# Altium PCB S7CAS-PLEIADES-CARTE-MERE_Pxx.PcbDoc (part 7 of 8) (continued)
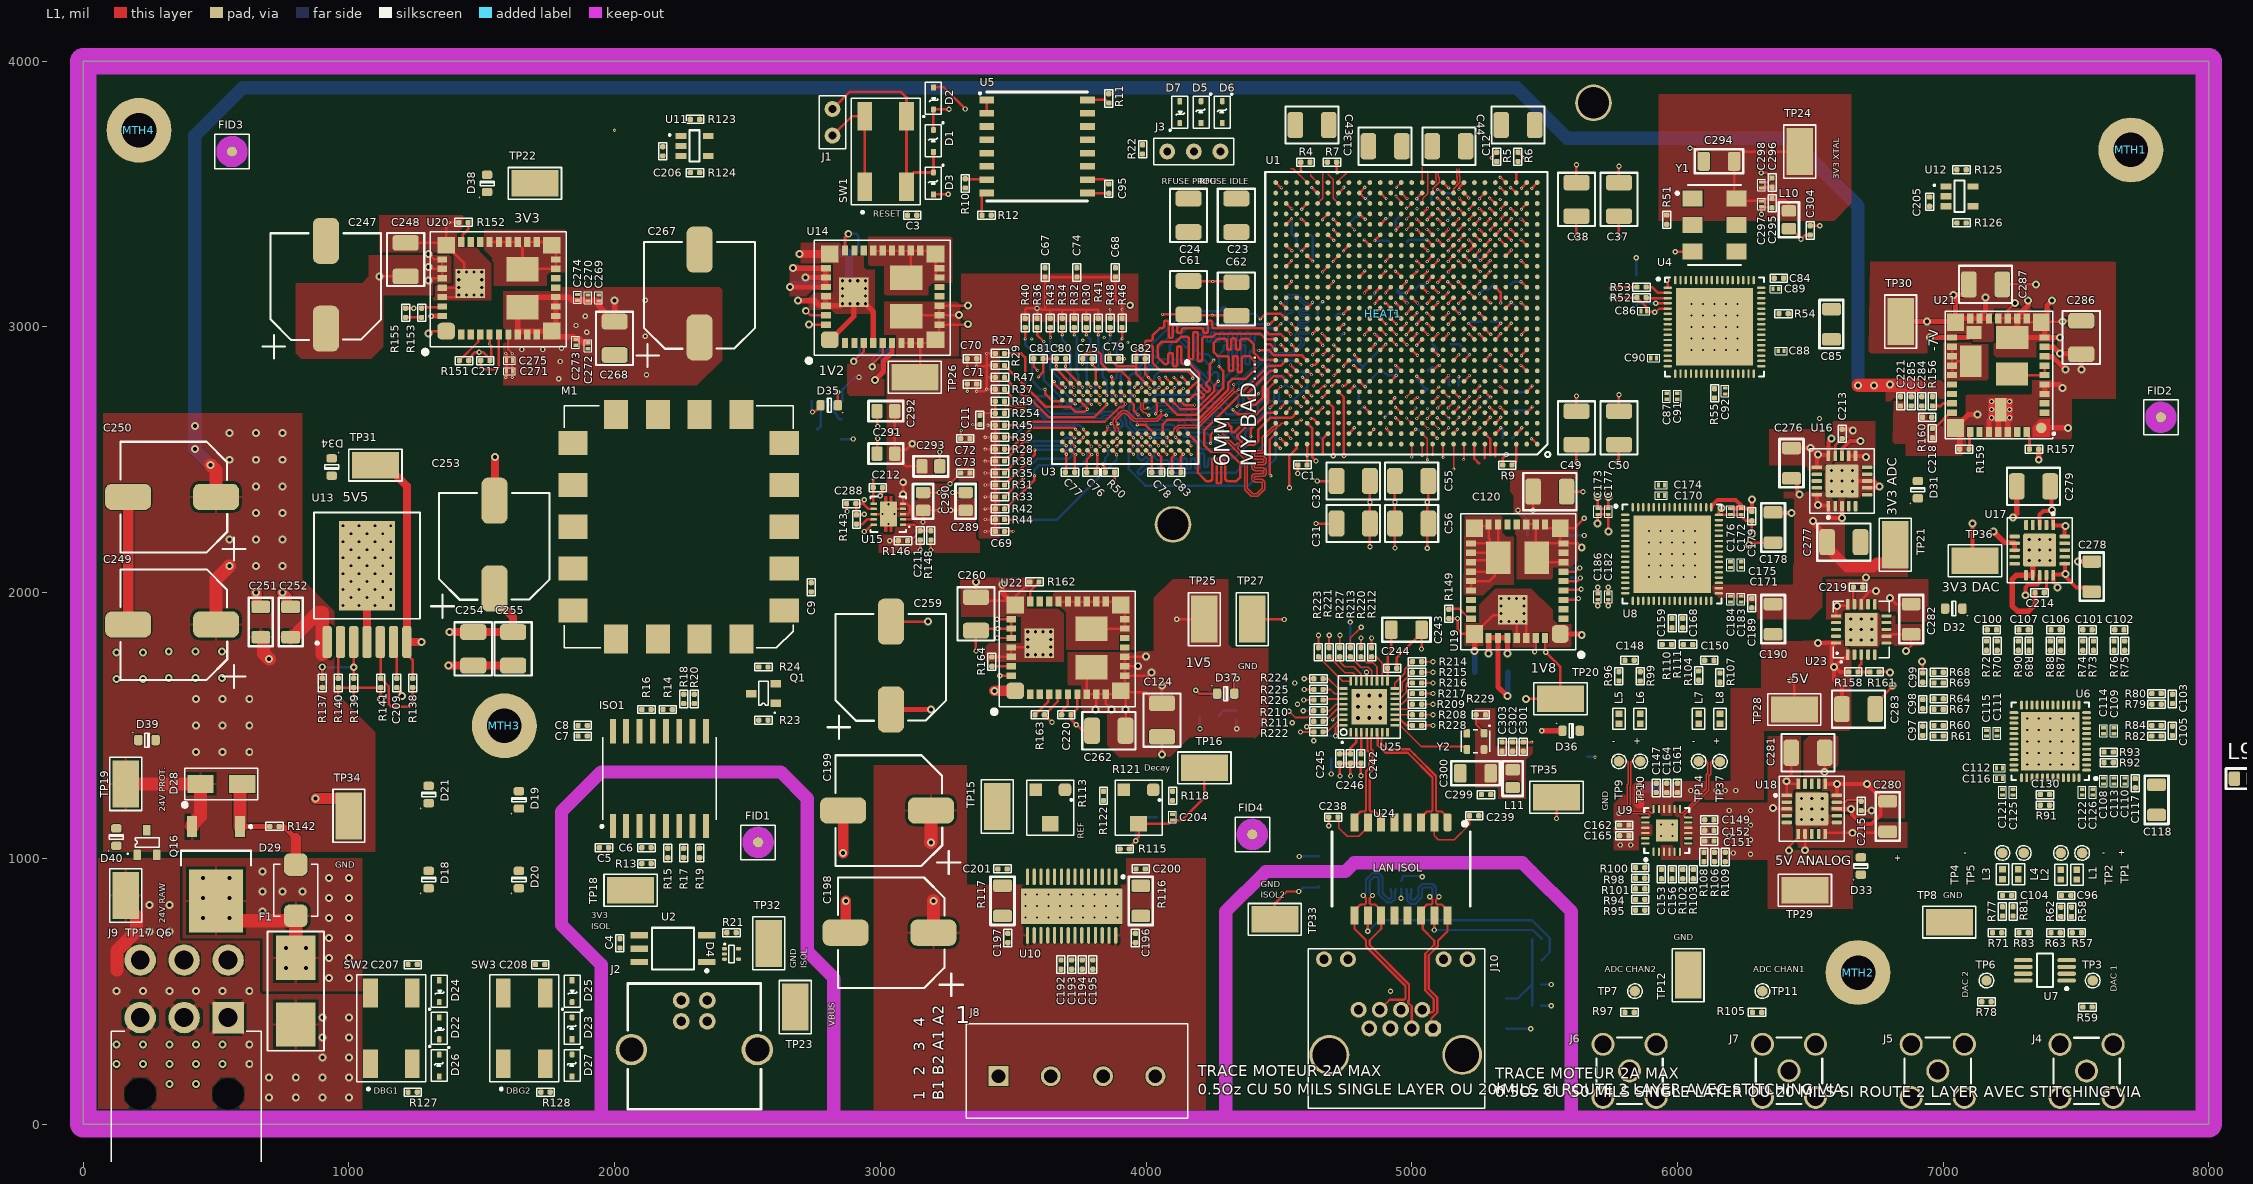
[diagram p0: L1 view]
## Nets (pads, with @x,y where several pads share a name; then routed paths per layer and width w, separated by ;. In a path a pad name is that pad's centre, name@x,y a point inside that pad or via, vN(x,y) a via of type N, cw(c..) or ccw(c..) an arc to the next point about the centre after c; other vN are vias at no path point) (continued)
SCLK_B1: R124.1 U1.M6 U11.4 | length 30.3
  L1 w9.39: U1.M6@5275.58,2992.12 5295.35,2972.35 5296.94,2972.35 v1@5297.44,2971.85
  other v1: 5297.19,2972.1
SCLK_B2: R126.1 U1.L7 U12.4 | length 30.3
  L1 w9.39: v1@5214.35,2973.02 5214.85,2972.52 5216.44,2972.52 U1.L7@5236.21,2952.75
  other v1: 5214.6,2972.77
SDA_B1: R123.1 U1.M4 U11.5 | length 30.3
  L1 w9.39: U1.M4@5354.32,2992.12 5374.09,3011.89 5374.09,3013.48 v1@5374.59,3013.98
  other v1: 5374.34,3013.73
SDA_B2: R125.1 U1.L6 U12.5 | length 30.3
  L1 w9.39: v1@5253.72,2973.02 5254.22,2972.52 5255.81,2972.52 U1.L6@5275.58,2952.75
  other v1: 5253.97,2972.77
STEP_DECAY: R115.2 U1.A7 | length 80.4
  L1 w9.39: U1.A7@5236.21,2559.05 5236.21,2503.79 5254,2486
STEP_DIR: U1.G8 U10.3 | length 30.3
  L1 w9.39: U1.G8@5196.84,2795.27 5216.61,2815.04 5216.61,2816.63 v1(5217.11,2817.13)
STEP_HOME: U1.C7 U10.2
STEP_RST: U1.E6 U10.17
STEP_SLEEP: U1.C5 U10.27 | length 30.3
  L1 w9.39: U1.C5@5314.95,2637.79 5334.72,2657.56 5334.72,2659.15 v1(5335.22,2659.65)
STEP_STEP: U1.A5 U10.19 | length 46.1
  L1 w9.39: U1.A5@5314.95,2559.05 5314.95,2513.05 5315,2513
STEP_USM0: U1.F7 U10.13 | length 30.3
  L1 w9.39: U1.F7@5236.21,2755.9 5255.98,2775.67 5255.98,2777.26 v1(5256.48,2777.76)
STEP_USM1: U1.B6 U10.12 | length 90.5
  L1 w9.39: U1.B6@5275.58,2598.42 5295,2579 5295,2516
TX_ISOL_N: D30.2 J10.2 U24.14 | length 782.1
  L1 w8.55: J10.2@5040,430 5049.65,420.35 5077.82,420.35 5082.82,425.36 5082.82,470.35 5051.03,502.14 5051.03,640.5 5085,674.47 5085,690 5041.32,733.68 5041.32,778.68 U24.14@5035,785 5035,803.5 5057.27,825.77 5073.22,825.77 5078.23,830.78 5078.23,844.27 v3(5067.5,855)
  L14 w8.62: D30.2@4979.69,884.84 4981.28,883.25 4981.28,867.91 4982.72,866.47 4982.72,842.21 4995.75,829.18 5014.18,829.18 5038.95,853.95 5038.95,883.9 5045.05,890 5073.14,890 5078.19,884.95 5078.19,876.75 5078.19,865.74 5067.5,855.05 v3(5067.5,855)
TX_ISOL_P: D30.1 J10.1 U24.16 | length 804.4
  L1 w8.55: J10.1@5080,360 5074.45,365.55 5074.45,397.82 5096.37,419.74 5096.37,475.96 5064.58,507.75 5064.58,634.89 5099.29,669.59 5099.29,689.29 5135,725 5135,803.5 5112.73,825.77 5096.78,825.77 5091.77,830.78 5091.77,844.27 v3(5102.5,855)
  L14 w8.62: D30.1@4999.37,884.84 4997.78,883.25 4997.78,867.91 4996.34,866.47 4996.34,847.86 5001.39,842.81 5008.54,842.81 5025.33,859.6 5025.33,889.54 5039.41,903.62 5078.78,903.62 5091.81,890.59 5091.81,882.39 5091.81,865.74 5102.5,855.05 v3(5102.5,855)
TX_N: U24.3 U25.6 | length 501.5
  L1 w8.55: U25.6@4869.53,1473.86 4870.17,1473.21 4870.17,1454.09 4872.6,1451.67 4872.6,1425.79 4901.39,1397 4985,1397 5078.23,1303.77 5078.23,1180.78 5073.22,1175.77 5057.27,1175.77 5035,1153.5 U24.3@5035,1135
TX_P: U24.1 U25.7 | length 501.5
  L1 w8.55: U25.7@4889.21,1473.86 4888.57,1473.21 4888.57,1454.09 4886.15,1451.67 4886.15,1431.4 4907,1410.55 4990.61,1410.55 5009.31,1391.85 5013.58,1387.58 5091.77,1309.39 5091.77,1180.78 5096.78,1175.77 5112.73,1175.77 5135,1153.5 U24.1@5135,1135
UD_N: ISO1.6 R17.1
UD_P: ISO1.7 R19.1
UDM: U1.J23 U3.D3 | length 1188.9
  L1 w9.39: U3.D3@4062.98,2724.4 4117.39,2670 4190,2670 4290,2770 4290,2835 v1(4274.55,2850.45) ; v1(4425,2911.31) 4463.8,2911.31 4469.3,2905.81 4469.3,2905.56 4481.86,2893 4587.3,2893 U1.J23@4606.29,2874.01
  L14 w9.36: v1(4274.55,2850.45) 4275,2850.9 4275,2895 4285,2905 4289.68,2909.68 ccw(c4282.77,2916.6) 4292.55,2916.6 4292.55,2925.73 cw(c4298.27,2925.73) 4298.27,2931.46 4303.18,2931.46 cw(c4303.18,2925.73) 4308.91,2925.73 4308.91,2860.43 ccw(c4314.64,2860.43) 4314.64,2854.7 4319.55,2854.7 ccw(c4319.55,2860.43) 4325.27,2860.43 4325.27,2925.73 cw(c4331,2925.73) 4331,2931.46 4335.91,2931.46 cw(c4335.91,2925.73) 4341.64,2925.73 4341.64,2860.43 ccw(c4347.37,2860.43) 4347.37,2854.7 4352.27,2854.7 ccw(c4352.27,2860.43) 4358,2860.43 4358,2925.73 cw(c4363.73,2925.73) 4363.73,2931.46 4368.64,2931.46 cw(c4368.64,2925.73) 4374.37,2925.73 4374.37,2864.49 ccw(c4380.09,2864.49) 4380.09,2858.76 4385,2858.76 ccw(c4385,2864.49) 4390.73,2864.49 4390.73,2901.95 cw(c4400.09,2901.95) 4400.09,2911.31 v1@4419.99,2911.31
UDQS_N: U1.M26 U3.B7 | length 1182.9
  L1 w4.82: U3.B7@4125.98,2598.42 4123.06,2598.42 4115.14,2606.34 4115.14,2610.34 4124.8,2620 4196.47,2620 4333.2,2756.74 4339.66,2756.74 4347.85,2764.93 v1(4349.79,2764.93) ; U1.M26@4488.18,2992.12 v1(4507.86,3011.81)
  L14 w4.85: v1(4349.79,2764.93) 4349.79,2779.79 4359.75,2789.75 4450,2880 4459.75,2889.75 4462.72,2892.72 4552.92,2892.72 4594.85,2934.65 4594.85,2938.73 4594.85,2946.08 ccw(c4580.15,2946.08) 4580.15,2960.77 4576.44,2960.77 cw(c4576.44,2964.92) 4572.29,2964.92 4572.29,2968.48 cw(c4576.44,2968.48) 4576.44,2972.62 4601.23,2972.62 ccw(c4601.23,2986.62) 4615.23,2986.62 4615.23,2990.17 ccw(c4601.23,2990.17) 4601.23,3004.17 4584.35,3004.17 cw(c4584.35,3008.31) 4580.2,3008.31 4580.2,3011.87 cw(c4584.35,3011.87) 4584.35,3016.02 4602.64,3016.02 ccw(c4602.64,3030.01) 4616.63,3030.01 4616.63,3033.56 ccw(c4602.64,3033.56) 4602.64,3047.56 4589.92,3047.56 cw(c4589.92,3051.71) 4585.78,3051.71 4585.78,3055.26 cw(c4589.92,3055.26) 4589.92,3059.41 4602.14,3059.41 ccw(c4602.14,3073.4) 4616.13,3073.4 4616.13,3076.96 ccw(c4602.14,3076.96) 4602.14,3090.95 cw(c4602.13,3095.8) 4598.71,3092.37 4575.97,3115.11 4571,3120.08 4536.15,3120.08 4522.63,3106.55 4522.63,3100.05 4522.63,3036.37 4522.63,3025 4509.43,3011.81 v1(4507.86,3011.81)
UDQS_P: U1.M24 U3.C7 | length 1182.3
  L1 w4.82: U3.C7@4094.48,2598.42 4097.39,2598.42 4105.32,2606.34 4105.32,2614.4 4120.73,2629.82 4192.4,2629.82 4329.86,2767.29 v1(4329.86,2783.14) ; v1(4547.24,3011.81) U1.M24@4566.92,2992.12
  L14 w4.85: v1(4329.86,2783.14) 4331.23,2784.51 4340.58,2784.51 4352.79,2796.71 4443.04,2886.96 4452.79,2896.71 4458.64,2902.57 4548.84,2902.57 4585,2938.73 4585,2946.08 ccw(c4580.15,2946.08) 4580.15,2950.93 4576.44,2950.93 cw(c4576.44,2964.92) 4562.44,2964.92 4562.44,2968.48 cw(c4576.44,2968.48) 4576.44,2982.47 4601.23,2982.47 ccw(c4601.23,2986.62) 4605.38,2986.62 4605.38,2990.17 ccw(c4601.23,2990.17) 4601.23,2994.32 4584.35,2994.32 cw(c4584.35,3008.31) 4570.36,3008.31 4570.36,3011.87 cw(c4584.35,3011.87) 4584.35,3025.86 4602.64,3025.86 ccw(c4602.64,3030.01) 4606.78,3030.01 4606.78,3033.56 ccw(c4602.64,3033.56) 4602.64,3037.71 4589.92,3037.71 cw(c4589.92,3051.71) 4575.93,3051.71 4575.93,3055.26 cw(c4589.92,3055.26) 4589.92,3069.26 4602.14,3069.26 ccw(c4602.14,3073.4) 4606.28,3073.4 4606.28,3076.96 ccw(c4602.14,3076.96) 4602.14,3081.1 cw(c4602.13,3095.8) 4591.72,3085.43 4566.92,3110.23 4560.02,3110.23 4540.23,3110.23 4532.47,3102.47 4532.47,3075.69 4532.47,3067.31 ccw(c4537.32,3067.31) 4537.32,3062.46 4547.73,3062.46 cw(c4547.73,3058.31) 4551.87,3058.31 4551.87,3054.76 cw(c4547.73,3054.76) 4547.73,3050.61 4537.32,3050.61 ccw(c4537.32,3045.76) 4532.47,3045.76 4532.47,3031.49 4532.47,3025 4545.67,3011.81 v1(4547.24,3011.81)
USB_DATA_ISOL_N: D4.5 J2.2 R17.2
USB_DATA_ISOL_P: D4.3 J2.3 R19.2
USB_DATA_N: M1.16 R18.1
USB_DATA_P: M1.17 R20.1
USR_BTN0: C208.2 D23.2 D27.1 R128.1 SW3.3 SW3.4 U1.N5
USR_BTN1: C207.2 D22.2 D26.1 R127.1 SW2.3 SW2.4 U1.N9 | length 30.3
  L1 w9.39: v1@5137.2,3009.63 5137.7,3010.13 5137.7,3011.72 U1.N9@5157.47,3031.49
  other v1: 5137.45,3009.88
VBUS: C5.2 D4.1 ISO1.1 J2.1 TP23.1 U2.1
VBUS_DETECT: Q1.1 R23.1 U2.5
VCM: C147.2 C149.2 U8.23 U9.11 U9.17
VTT: C67.2 C68.2 C69.2 C70.2 C71.2 C72.2 C73.2 C74.2 C291.2 C292.2 C293.2 R27.1 R28.1 R29.1 R30.1 R31.1 R32.1 R33.1 R34.1 R35.1 R36.1 R37.1 R38.1 R39.1 R40.1 R41.1 R42.1 R43.1 R44.1 R45.1 R46.1 R47.1 U15.3 U15.5 | length 2837.6
  L1 w9.39: U15.3@3085.59,2295.2 3104.84,2295.16 3111.11,2301.44 3111.11,2323.89 3100.47,2334.53 3085.62,2334.53 v2(3085.59,2368.77) v8(3085.59,2415.59) ; C71.2@3362.5,2785 v1(3362.5,2757.5) 3391.79,2757.5 3399.29,2765 v1(3400,2765) ; C70.2@3362.5,2880 v1(3362.5,2852.5) 3397.5,2852.5 3400,2855 ; v1(3395,2230) C69.2@3432.5,2230 R44.1@3432.5,2275 ; v1(3395,2275) R44.1@3432.5,2275 ; v1(3395,2315) R42.1@3432.5,2315 ; v1(3395,2360) R33.1@3432.5,2360 ; v1(3395,2405) R31.1@3432.5,2405 ; v1(3395,2450) R35.1@3432.5,2450 ; v1(3395,2495) R38.1@3432.5,2495 ; v1(3395,2540) R28.1@3432.5,2540 ; v1(3395,2585) R39.1@3432.5,2585 ; v1(3405,2630) R45.1@3432.5,2630 R39.1@3432.5,2585 ; R37.1@3432.5,2765 v1(3400,2765) ; R47.1@3432.5,2810 3400,2810 ; R29.1@3432.5,2855 3400,2855 ; R27.1@3432.5,2900 v1(3400,2900) 3400,2855 ; R40.1@3545,3032.5 3545,3064.5 3550.5,3070 v3(3590,3070) ; R36.1@3590,3032.5 v3(3590,3070) ; R43.1@3640,3032.5 3640,3065 ; R34.1@3685,3032.5 3685,3065 ; R32.1@3730,3032.5 3730,3065 ; R30.1@3775,3032.5 3775,3065 ; R41.1@3820,3032.5 3820,3065 3775,3065 ; R46.1@3910,3032.5 v1(3910,3065) 3910,3080 3885,3105 C68.2@3885,3187.5 C67.2@3620,3187.5 3620,3065 ; v1(3400,2765) 3400,2810 ; 3400,2810 3400,2855 ; R44.1@3432.5,2275 R42.1@3432.5,2315 ; R42.1@3432.5,2315 R33.1@3432.5,2360 ; R33.1@3432.5,2360 R31.1@3432.5,2405 ; R31.1@3432.5,2405 R35.1@3432.5,2450 ; R35.1@3432.5,2450 R38.1@3432.5,2495 ; R38.1@3432.5,2495 R28.1@3432.5,2540 ; R28.1@3432.5,2540 R39.1@3432.5,2585 ; v3(3590,3070) 3592.03,3067.97 3603.75,3067.97 3606.72,3065 3620,3065 ; 3620,3065 3640,3065 ; 3640,3065 3685,3065 ; 3685,3065 3730,3065 ; 3730,3065 3775,3065
  L1 w10: C292.2@3054.45,2683.07 v8(3054.45,2605.55) C291.2@3054.45,2523.07 ; v8(3120,2560) 3097.61,2537.61 3068.99,2537.61 C291.2@3054.45,2523.07 ; C293.2@3156.98,2475.2 3096.32,2475.2 3054.45,2517.07 C291.2@3054.45,2523.07
  L3 w10: 3085.59,2334.57 v2(3085.59,2368.77) v8(3085.59,2415.59)
VTT_REF: C1.2 C2.2 C75.2 C212.2 U1.A23 U1.L21 U3.H1 U3.M8 U15.6 | length 3642.5
  L1 w9.44: v1(2972.98,2427.98) C212.2@2972.98,2395.2 2974.17,2394 2974.17,2334.57 U15.6@2975.36,2334.57 ; v1(3760.87,2860) 3761.36,2860.49 3761.36,2878.86 3766.57,2884.07 3766.57,2893.57 3779,2906 3821,2906 3831.73,2895.27 3831.73,2862.27 3860,2834 3907,2834 3937,2804 U3.H1@3937,2787.4 ; U3.M8@3811.02,2566.92 v1(3827,2551) ; C1.2@4606.29,2480.31 v1(4606.29,2515) U1.A23@4606.29,2559.05 ; v1(4662.78,2975) U1.L21@4685.03,2952.75
  L12 w9.44: v1(2972.98,2427.98) 3026.04,2481.04 3603.96,2481.04 ; 3607.38,2633.42 3769.27,2633.42 3827,2575.69 v1(3827,2551) ; v1(3760.87,2860) 3743.69,2842.82 3743.69,2842 3731.69,2830 3650,2830 3603.96,2783.96 3603.96,2481.04 ; v1(4662.78,2975) 4705,2975 4760,2920 4760,2668.71 v1(4606.29,2515) 4481.29,2390 3695,2390 3603.96,2481.04
  L14 w9.44: v1(4662.78,2975) C2.2@4685.03,2952.75
ZQ: R1.2 U1.B23
ZQ_RAM: R50.2 U3.L8 | length 133.1
  L1 w9.39: v1(3837,2483.09) 3837,2482.38 3842.48,2476.91 3842.48,2456.85 R50.2@3846.5,2452.82 ; U3.L8@3842.51,2566.92 3842.51,2566.71 3858,2551.22 v1(3858,2551)
  L14 w9.36: v1(3837,2483.09) 3837,2483.8 3847.53,2494.33 3847.53,2507.53 3858,2518 v1(3858,2551)
pads on no net: C222.1 C222.2 C223.1 C223.2 C224.1 C224.2 C225.1 C225.2 C226.1 C226.2 C227.1 C227.2 C228.1 C228.2 C229.1 C229.2 C230.1 C230.2 C231.1 C231.2 C232.1 C232.2 C233.1 C233.2 C234.1 C234.2 C235.1 C235.2 C236.1 C236.2 C237.1 C237.2 D4.2 D30.6 D30.7 D30.9 D30.10 FID1.1 FID1.2 FID2.1 FID2.2 FID3.1 FID3.2 FID4.1 FID4.2 J9.0 J10.0 J10.9 J10.10 J10.11 J10.12 L9.1 L9.2 Q1. Q2. Q3. Q4. Q5. Q7. Q8. Q9. Q10. Q11. Q12. Q13. Q14. Q15. Q16. R2.2 R3.2 R165.1 R165.2 R166.1 R166.2 R167.1 R167.2 R168.1 R168.2 R169.1 R169.2 R170.1 R170.2 R171.1 R171.2 R172.1 R172.2 R173.1 R173.2 R174.1 R174.2 R175.1 R175.2 R176.1 R176.2 R177.1 R177.2 R178.1 R178.2 R179.1 R179.2 R180.1 R180.2 R181.1 R181.2 R182.1 R182.2 R183.1 R183.2 R184.1 R184.2 R185.1 R185.2 R186.1 R186.2 R187.1 R187.2 R188.1 R188.2 R189.1 R189.2 R190.1 R190.2 R191.1 R191.2 R192.1 R192.2 R193.1 R193.2 R194.1 R194.2 R195.1 R195.2 R196.1 R196.2 R197.1 R197.2 R198.1 R198.2 R199.1 R199.2 R200.1 R200.2 U1.A2 U1.A4 U1.A14 U1.A15 U1.A16 U1.A17 U1.A18 U1.A19 U1.A20 U1.A21 U1.A22 U1.AA1 U1.AA2 U1.AA13 U1.AA14 U1.AA15 U1.AA17 U1.AA18 U1.AA19 U1.AA22 U1.AA23 U1.AA24 U1.AA25 U1.AA26 U1.AB1 U1.AB3 U1.AB11 U1.AB15 U1.AB17 U1.AB18 U1.AB21 U1.AB22 U1.AB24 U1.AB26 U1.AC1 U1.AC2 U1.AC14 U1.AC15 U1.AC16 U1.AC17 U1.AC19 U1.AC20 U1.AC22 U1.AC23 U1.AC24 U1.AC25 U1.AC26 U1.AD1 U1.AD3 U1.AD6 U1.AD11 U1.AD15 U1.AD17 U1.AD18 U1.AD19 U1.AD21 U1.AD24 U1.AD26 U1.AE1 U1.AE2 U1.AE5 U1.AE7 U1.AE13 U1.AE15 U1.AE17 U1.AE19 U1.AE21 U1.AE23 U1.AE24 U1.AE25 U1.AE26 U1.AF5 U1.AF6 U1.AF7 U1.AF13 U1.AF15 U1.AF16 U1.AF17 U1.AF18 U1.AF19 U1.AF21 U1.AF24 U1.AF25 U1.B1 U1.B2 U1.B4 U1.B14 U1.B16 U1.B18 U1.B20 U1.B22 U1.C1 U1.C2 U1.C3 U1.C4 U1.C15 U1.C16 U1.C17 U1.C18 U1.C19 U1.C20 U1.C21 U1.D1 U1.D3 U1.D6 U1.D15 U1.D16 U1.D18 U1.D19 U1.D20 U1.D21 U1.E1 U1.E2 U1.E3 U1.E4 U1.E5 U1.E12 U1.E14 U1.E16 U1.E17 U1.E18 U1.E19 U1.E20 U1.F1 U1.F3 U1.F5 U1.F8 U1.F12 U1.F14 U1.F15 U1.F16 U1.F17 U1.F18 U1.G1 U1.G2 U1.G3 U1.G4 U1.G5 U1.G6 U1.G7 U1.G9 U1.G11 U1.G13 U1.G14 U1.G16 U1.G17 U1.G21 U1.H1 U1.H3 U1.H5 U1.H6 U1.H7 U1.H8 U1.H9 U1.H10 U1.H12 U1.H13 U1.H15 U1.H16 U1.H17 U1.H19 U1.J1 U1.J2 U1.J3 U1.J4 U1.J5 U1.J7 U1.J10 U1.J11 U1.J12 U1.J13 U1.J14 U1.J15 U1.J16 U1.J17 U1.J20 U1.K1 U1.K3 U1.K5 U1.K6 U1.K7 U1.K8 U1.K9 U1.K10 U1.K12 U1.K14 U1.K15 U1.K18 U1.K19 U1.L1 U1.L2 U1.L3 U1.L4 U1.L8 U1.L9 U1.L17 U1.L18 U1.L19 U1.L20 U1.L23 U1.L24 U1.M1 U1.M3 U1.M8 U1.M9 U1.M10 U1.M18 U1.M19 U1.M21 U1.M23 U1.N1 U1.N2 U1.N3 U1.N4 U1.N7 U1.N8 U1.N17 U1.N18 U1.N19 U1.N20 U1.N21 U1.N22 U1.N23 U1.N24 U1.P3 U1.P5 U1.P6 U1.P7 U1.P8 U1.P10 U1.P17 U1.P18 U1.P20 U1.P21 U1.P22 U1.P24 U1.P26 U1.R1 U1.R2 U1.R4 U1.R5 U1.R17 U1.R18 U1.R19 U1.R20 U1.R21 U1.R22 U1.R23 U1.R24 U1.R25 U1.R26 U1.T6 U1.T10 U1.T18 U1.T19 U1.T20 U1.T22 U1.T23 U1.T24 U1.T26 U1.U1 U1.U2 U1.U5 U1.U7 U1.U8 U1.U9 U1.U15 U1.U17 U1.U19 U1.U20 U1.U21 U1.U22 U1.U23 U1.U24 U1.U25 U1.U26 U1.V1 U1.V3 U1.V4 U1.V5 U1.V10 U1.V13 U1.V14 U1.V15 U1.V16 U1.V17 U1.V18 U1.V19 U1.V20 U1.V22 U1.V23 U1.V24 U1.V26 U1.W1 U1.W2 U1.W3 U1.W5 U1.W10 U1.W13 U1.W14 U1.W16 U1.W17 U1.W18 U1.W19 U1.W22 U1.W24 U1.W25 U1.W26 U1.Y1 U1.Y3 U1.Y5 U1.Y14 U1.Y15 U1.Y16 U1.Y18 U1.Y20 U1.Y21 U1.Y22 U1.Y24 U1.Y26 U3.J1 U3.J9 U3.L1 U3.L9 U3.M7 U3.T7 U4.6 U4.7 U4.9 U4.10 U4.13 U4.33 U4.40 U4.41 U4.49 U4.50 U4.51 U4.52 U4.53 U4.54 U4.55 U4.56 U4.57 U4.58 U4.59 U4.60 U4.61 U4.62 U4.63 U4.64 U5.3 U5.4 U5.5 U5.6 U5.11 U5.12 U5.13 U5.14 U8.22 U9.PAD U11.1 U12.1 U14.2 U14.3 U14.15 U14.16 U14.26 U14.27 U16.2 U16.4 U16.5 U16.6 U16.9 U16.10 U16.17 U16.18 U16.19 U17.2 U17.4 U17.5 U17.6 U17.9 U17.10 U17.17 U17.18 U17.19 U18.2 U18.4 U18.5 U18.8 U18.9 U18.11 U18.12 U18.17 U18.18 U18.19 U19.2 U19.3 U19.15 U19.16 U19.26 U19.27 U20.2 U20.3 U20.15 U20.16 U20.26 U20.27 U21.2 U21.3 U21.25 U21.31 U21.35 U22.2 U22.3 U22.15 U22.16 U22.26 U22.27 U23.2 U23.4 U23.5 U23.6 U23.8 U23.9 U23.10 U23.11 U23.12 U23.17 U23.18 U23.19 U24.4 U24.5 U24.12 U24.13 U25.8 Y1.1
copper on no net:
  other v1: 2000,3740
  other v4: 5938.35,1083.35 5981.65,1083.35 5938.35,1126.65 5981.65,1126.65

## Polygon pours and split planes (outlines as drawn)
GND on L11 (GND) "GND_L11_P129" (solid, pour order 129): -40,4000 -10,4030 8020,4030 8020,-30 -20,-30 -20,-20 -30,-10
ISOL2_GND on L11 (GND) "ISOL2_GND_L11_P018" (solid, pour order 18): 4350,800 4465,915 4475,905 4765,905 4765,915 4800,950 5410,950 5575,785 5575,50 4350,50
ISOL_GND on L11 (GND) "ISOL_GND_L11_P046" (solid, pour order 46): 2000,75 2000,625 1975,625 1850,750 1850,1175 1950,1275 2600,1275 2675,1200 2675,625 2775,525 2775,75
GND on L2 (GND) "GND_L02_P042" (solid, pour order 42): 100,3890 110,3900 7900,3900 7900,100 105,100
ISOL2_GND on L2 (GND) "ISOL2_GND_L02_P014" (solid, pour order 0): 4347.41,800 4462.41,915 4472.41,905 4762.41,905 4762.41,915 4797.41,950 5407.41,950 5572.41,785 5572.41,50 4347.41,50
ISOL_GND on L2 (GND) "ISOL_GND_L02_P014" (solid, pour order 14): 2000,75 2000,625 1975,625 1850,750 1850,1175 1950,1275 2600,1275 2675,1200 2675,625 2775,525 2775,75
3V3_DIGITAL on L9 (PWR) "3V3_DIGITAL_L09_P123" (solid, pour order 123): 45.17,3925 7945,3925 7945,55 5631.54,55 5630,53.46 5630,820 5600,820 5410,1010 5395,995 4795,995 4795,985 4755,945 4745,955 4450,955 4450,950 4300,800 4310,790 4310,55 2826.39,55 2825.27,53.88 2820.98,58.18 2820.98,554.02 2720,655 2720,1230 2615,1335 2605,1325 1950,1325 1790,1165 1790,755 1795,755 1955,595 1955,20 35,20 -0.17,-15.17
3V3A_ADC on L9 (PWR) "3V3A_ADC_L09_P118" (solid, pour order 118): 6665,2680 6665,2455.77 6681.38,2439.39 6621.99,2380 5705,2380 5670,2345 5670,1820 6965,1820 7040,1895 7040,2675
3V3A_DAC on L9 (PWR) "3V3A_DAC_L09_P117" (solid, pour order 117): 7285.06,1930 7285.06,2005.06 7285.06,2141.3 7531.3,2141.3 7615,2225 7615,2505 7070,2505 7010,2445 7010,2280 6675,1945 6675,1360 6665,1350 6675,1340 6930,1340 6930,1225 6970,1185 7900,1185 7900,1940
3V3_DIGITAL on L9 (PWR) "3V3_DIGITAL_L09_P115" (solid, pour order 115): 4451.87,3582.67 5511.8,3582.67 5511.8,2516.8 5510,2515 5505.32,2519.68 4448.81,2519.68
1V2_VCCINT on L9 (PWR) "1V2_VCCINT_L09_P110" (solid, pour order 110): 4820,3190 5125.93,3190 5126.96,3188.97 5124.37,3186.38 5124.37,3154.37 5110,3140 5110,2993.51 5131.51,2972 5130,2970.49 5130,2890 5035,2890 5030,2895 5030,2916.37 4906.37,2916.37 4885,2895 4845,2895 4840,2895 4836.25,3074.48 4836.25,3078.75 4820,3095
VTT on L9 (PWR) "VTT_L09_P114" (solid, pour order 114): 4105.46,3295 3380,3295 3380,3128.89 3015,2763.89 3015,2420 3055,2380 3055,2245 3110,2190 3476.46,2190
1V2_VCCINT on L9 (PWR) "1V2_VCCINT_L09_P113" (solid, pour order 113): 4075,3435 3305,3435 3295,3425 3300,3420 3300,3100 3010,3100 3005,3095 3005,2985 3060,2985 3065,2980 3065,2905 2880,2905 2880,2750 3295,2750 3300,2755 3300,2949.04 3465,3114.04 3465,3285 4025,3285 4045,3265
1V2_VCCINT on L9 (PWR) "1V2_VCCINT_L09_P112" (solid, pour order 112): 4820,3190 4750,3260 4750,3280 4470,3280 4405,3345 4405,3430 3985,3435 3985,3345 3985,3265 3935,3000 4550,3070 4701.36,3078 4855,3075
5V_A on L9 (PWR) "5V_A_L09_P104" (solid, pour order 104): 6197.5,1295 6197.5,1640 6312.5,1640 6312.5,1815.96 6321.54,1825 6622.5,1825 6622.5,1815 6652.5,1785 6652.5,1135 6917.5,1135 6917.5,645 7697.5,645 7707.5,635 7707.5,500 5762.5,500 5757.5,505 5757.5,1295
24V_RAW on L9 (PWR) "24V_RAW_L09_P036" (solid, pour order 36): 1050,1000 1050,50 50,50 50,1000
POWER_MOS_MID on L9 (PWR) "POWER_MOS_MID_L09_P031" (solid, pour order 31): 350,1000 700,1000 1050,1000 1050,500 650,500 650,700 350,700
1V5_DIGITAL on L9 (PWR) "1V5_DIGITAL_L09_P028" (solid, pour order 28): 3123.25,2416.75 3366.75,2416.75 3366.75,2202.25 3372,2197 3377,2202 3451,2202 3451,2914 3552,3015 3968,3015 4051,3089 4070,3089 4685,3089 4685,3020.6 4632.47,2968.07 4632.47,2681.47 4538,2587 4216,2587 4216,2102 4295,2023 4295,1676 4378,1593 4378,1461 4221,1461 4220,1506 4194.3,1506 4022.5,1367.5 3923.5,1367.5 3850,1441 3850,1540 3769.42,1540 3673,1636.42 3673,2109 3014,2109 2990,2133 2990,2248 3067,2248 3066.34,2248.66 3066.34,2281.75 3119.25,2281.75 3123.25,2285.75
-5V on L1 "-5V_L01_P096" (solid, pour order 96): 6036.17,1290.22 5845.22,1290.22 5760,1205 5760,1030 5855,1030 5855,1085 5900,1085 5905,1090 5905,1160 5980,1160 5980,1205.57
-5V on L1 "-5V_L01_P099" (solid, pour order 99): 6325,1640 6325,1220 6320,1215 6003.94,1215 6003.94,1290 6200,1290 6200,1640
5V_A on L1 "5V_A_L01_P098" (solid, pour order 98): 5985,1210 6345,1210 6350,1205 6350,995 5940,995 5940,1050 6010,1050 6010,1155 5985,1155
-5V on L1 "-5V_L01_P097" (solid, pour order 97): 5980,1215 6040,1215 6040,1260.92 6039.96,1260.96 6039,1260 5980,1260
3V3A_ADC on L1 "3V3A_ADC_L01_P095" (solid, pour order 95): 6130.79,2029.21 6435.79,2029.21 6435.79,2104.21 6866.57,2104.21 6866.57,2059.21 6545.79,2059.21 6545.79,1944.21 6500.79,1899.21 6305.79,1899.21 6300.79,1894.21 6300.79,1964.21 6255.79,1964.21 6249.79,1970.21 6249.79,1979.96 6155.04,1979.96 6134.96,2000.04
GND on L1 "GND_L01_P094" (solid, pour order 94): 6580,2645 6585,2640 6585,2545 6635,2545 6635,2490 6555,2490 6555,2355 6745,2355 6745,2645
3V3A_ADC on L1 "3V3A_ADC_L01_P093" (solid, pour order 93): 6400,2380 6550,2380 6555,2375 6555,2355 6630,2355 6630,2105 6610,2085 6440,2085 6440,2350 6435,2355 6400,2355
5V5 on L1 "5V5_L01_P092" (solid, pour order 92): 6345,2480 6480,2480 6490,2470 6490,2460 6555,2460 6555,2485 6635,2485 6635,2550 6560,2550 6555,2555 6555,2615 6345,2615
-7V on L1 "-7V_L01_P091" (solid, pour order 91): 6560,1900 6620,1900 6625,1905 6625,1930 6825,1930 6825,1890 6945,1890 6945,2050 6560,2050
GND on L1 "GND_L01_P090" (solid, pour order 90): 6629.94,1923.29 6629.94,1799.27 6634.21,1795 6760,1795 6760,1799.27 6926.72,1799.27 6920,1880 6820,1880 6820,1925
GND on L1 "GND_L01_P088" (solid, pour order 88): 6475,1228.5 6475,1440 6495,1460 6605,1460 6605,1350 6582.09,1327.09 6539.97,1327.09 6539.97,1235.03 6540,1235
5V_A on L1 "5V_A_L01_P087" (solid, pour order 87): 6660,810 6660,1035 6435,1035 6435,1050 6440,1055 6440,1255 6465,1255 6465,1460 6340,1460 6340,810
GND on L1 "GND_L01_P084" (solid, pour order 84): 6445,1250 6445,1060 6455,1050 6455,1040 6865,1040 6865,1135 6860,1135 6850,1135 6670,1135 6632.13,1172.87 6567.91,1172.87 6567.91,1247.91 6570,1250
5V5 on L1 "5V5_L01_P083" (solid, pour order 83): 6545,1310 6545,1255 6575,1255 6575,1175 6645,1175 6675,1145 6680,1150 6855,1150 6855,1330 6547.17,1330 6544.26,1327.09
24V_PROTECTED on L1 "24V_PROTECTED_L01_P082" (solid, pour order 82): 6785,2720 6975,2720 6985,2730 7055,2730 7060,2735 7060,2800 6785,2800
-7V on L1 "-7V_L01_P081" (solid, pour order 81): 6815,2720 6855,2720 6860,2715 6860,2680 6935,2680 6940,2675 6940,2645 7004.35,2645 7007.24,2642.1 7000,2634.86 7000,2515 6860,2515 6860,2560 6815,2560 6810,2565
NetU21_6 on L1 "NETU21_6_L01_P080" (solid, pour order 80): 7000,2940 7170,2940 7170,2805 7165,2800 7005,2800 7000,2805
GND on L1 "GND_L01_P079" (solid, pour order 79): 7190,3070 7190,2895 7200,2885 7350,2885 7350,2945 7420,2945 7420,3065 7415,3070
-7V on L1 "-7V_L01_P078" (solid, pour order 78): 7153.19,2578.5 7153.19,2633.19 7150,2630 7085,2630 7085,2530 7070,2515 7000,2515 7000,2655 7005,2660 7085,2660 7085,2740 7090,2745 7330,2745 7335,2750 7335,2800 7480,2800 7485,2795 7485,2575
-7V on L1 "-7V_L01_P077" (solid, pour order 77): 7185,3245 7645,3245 7650,3250 7650,2935 7415.46,2935 7415,2934.54 7415,3070 7190,3070 7185,3075
-7V on L1 "-7V_L01_P076" (solid, pour order 76): 7350,2945 7350,2870 7350.78,2870.78 7412.76,2870.78 7412.76,2802.06 7357.06,2802.06 7355,2800 7355,2730 7650,2730 7650,2945
-7V on L1 "-7V_L01_P075" (solid, pour order 75): 6725,3245 7185,3245 7190,3240 7190,2940 7185,2945 6950,2945 6940,2955 6940,2900 6725,2900 6720,2905
-5V on L1 "-5V_L01_P074" (solid, pour order 74): 6555,1820 6625,1820 6625,1810 6655,1780 6655,1493.2 6656.92,1491.28 6645.64,1480 6315,1480 6315,1815.96
3V3_XTAL_25MHz on L1 "3V3_XTAL_25MHZ_L01_P073" (solid, pour order 73): 5240,1565 5240,1265 5325,1265 5325,1225 5430,1225 5430,1370 5455,1395 5455,1420 5315,1420 5315,1565
GND on L1 "GND_L01_P072" (solid, pour order 72): 5200,1885 5255,1885 5255,1955 5315,2015 5450,2015 5530,1935 5530,1895 5535,1895 5550,1880 5600,1880 5600,1800 5595,1795 5380,1795 5380,1855 5375,1860 5270,1860 5270,1800 5200,1800
1V8_DIGITAL on L1 "1V8_DIGITAL_L01_P071" (solid, pour order 71): 5370,2380 5385,2365 5385,2295 5400,2295 5415,2280 5390,2255 5390,2050 5535,2050 5530,2055 5530,2095 5600,2095 5625,2120 5625,2460 5375,2460 5370,2455
NetU19_17 on L1 "NETU19_17_L01_P070" (solid, pour order 70): 5195,1990 5270,1990 5310,2030 5385,2030 5385,2210 5355,2210 5340,2225 5340,2285 5335,2290 5200,2290
1V5_DIGITAL on L1 "1V5_DIGITAL_L01_P069" (solid, pour order 69): 3705,1780 3705,1655 3709.02,1650.98 3756.95,1650.98 3756.95,1563.05 3775,1545 3855,1545 3855,1425 3900,1380 4090,1380 4165,1455 4405,1455 4410,1450 4460,1500 4460,1790 4325,1790 4310,1805 4310,2050 4100,2050 4030,1980 4030,1780
NetU22_17 on L1 "NETU22_17_L01_P068" (solid, pour order 68): 3650,2000 3654.33,2004.33 3960.35,2004.33 3960.35,1773.73 3949.09,1785 3670,1785 3665,1790
GND on L1 "GND_L01_P067" (solid, pour order 67): 3305,1925 3305,1910 3520,1910 3525,1910 3530,1910 3530,1810 3410,1810 3395,1795 3395,1745 3400,1740 3690,1740 3690,1920 3670,1940 3550,1940 3550,2002.26 3580,2032.26 3580,2055 3570,2055 3300,2055
5V5 on L1 "5V5_L01_P066" (solid, pour order 66): 2660,3235 2820,3235 2820,3110 2705,3115 2660,3115
1V2_VCCINT on L1 "1V2_VCCINT_L01_P065" (solid, pour order 65): 3070,2900 2875,2900 2875,2750 2885,2740 3300,2740 3300,2875
1V2_VCCINT on L1 "1V2_VCCINT_L01_P064" (solid, pour order 64): 3015,3095 3300,3095 3300,2840 3110,2840 3080,2840 3060,2860 3060,2970 3015,2970
GND on L1 "GND_L01_P062" (solid, pour order 62): 2700,3315 2701.69,3316.69 2937.95,3316.69 2937.95,3223.68 2946.63,3215 2980,3215 2980,3060 2970,3050 2830,3050 2815,3065 2730,3065 2730,3109.73 2749.19,3128.92 2823.05,3128.92 2823.05,3236.95 2820,3240 2700,3240
NetU14_17 on L1 "NETU14_17_L01_P061" (solid, pour order 61): 2955,3340 2955,3235 2960,3230 3015,3230 3015,3125 3020,3120 3180,3120 3180,3150 3195,3165 3270,3165 3270,3335 3265,3340
3V3_DIGITAL on L1 "3V3_DIGITAL_L01_P060" (solid, pour order 60): 1580,3135 1747.2,3135 1762.2,3150 2395,3150 2405,3140 2405,2875 2310,2780 1580,2780
NetU20_17 on L1 "NETU20_17_L01_P059" (solid, pour order 59): 1510,3365 1510,3290 1540,3260 1540,3155 1745,3155 1745,3195 1755,3205 1815,3205 1815,3365
GND on L1 "GND_L01_P058" (solid, pour order 58): 1307.02,3172.18 1387.82,3172.18 1389.05,3170.95 1389.05,3275.53 1121.6,3275.53 1121.16,3275.08 1115,3281.24 1115,3420 1435,3420 1430,3415 1430,3375 1405,3350 1405,3345 1490,3345 1490,3285 1535,3240 1535,3100 1307.34,3100 1307.02,3100.32
5V5 on L1 "5V5_L01_P057" (solid, pour order 57): 1385.19,3264.92 1385,3264.73 1385,3165 1315,3165 1315,3120 1130,3120 1130.01,2925.01 1085,2880 820,2880 800,2900 800,3165 1050,3165 1075,3190 1075,3270 1385,3270
24V_PROTECTED on L1 "24V_PROTECTED_L01_P039" (solid, pour order 39): 2975,1350 2975,50 4225,50 4225,1000 3925,1000 3925,900 3350,900 3325,900 3325,1350
24V_PROTECTED on L1 "24V_PROTECTED_L01_P038" (solid, pour order 38): 75,1025 75,2675 825,2675 825,2050 945,1930 945,1630 1100,1475 1100,1025
24V_RAW on L1 "24V_RAW_L01_P034" (solid, pour order 34): 1050,1000 1050,50 50,50 50,1000
POWER_MOS_MID on L1 "POWER_MOS_MID_L01_P030" (solid, pour order 30): 375,1000 1050,1000 1050,500 675,500 675,700 375,700
3V3_XTAL_125MHz on L1 "3V3_XTAL_125MHZ_L01_P027" (solid, pour order 27): 5930,3875 5930,3400 6310,3400 6590,3400 6655,3465 6655,3875
1V5_DIGITAL on L1 "1V5_DIGITAL_L01_P009" (solid, pour order 9): 2995,2285 3100,2285 3122.95,2307.95 3122.95,2420 3375,2420 3375,2150 2995,2150
VTT on L1 "VTT_L01_P008" (solid, pour order 8): 3025,2425 3025.55,2424.45 3025.55,2285.55 3025,2285 3120,2285 3120,2430
VTT on L1 "VTT_L01_P007" (solid, pour order 7): 3305,2920 3305,3200 3525,3200 3525,2920 3450,2920
VTT on L1 "VTT_L01_P006" (solid, pour order 6): 3025,2335 3035,2325 3110,2325 3110,2420 3450,2420 3450,2920 3305,2920 3305,2880 3025,2880
VTT on L1 "VTT_L01_P003" (solid, pour order 3): 3320,2610 3395,2610 3395,2655 3450,2655 3450,2210 3445,2205 3365,2205 3370,2210 3370,2425 3360,2425 3320,2425
VTT on L1 "VTT_L01_P002" (solid, pour order 2): 3520,3020 3970,3020 3970,3200 3520,3200
GND on L6 (GND) "GND_L06_P126" (solid, pour order 126): -20,4010 8020,4010 8040,3990 8010,3960 8010,-20 10,-20 0,-30
ISOL2_GND on L6 (GND) "ISOL2_GND_L06_P015" (solid, pour order 15): 4350,800 4465,915 4475,905 4765,905 4765,915 4800,950 5410,950 5575,785 5575,50 4350,50
ISOL_GND on L6 (GND) "ISOL_GND_L06_P044" (solid, pour order 44): 2000,75 2000,625 1975,625 1850,750 1850,1175 1950,1275 2600,1275 2675,1200 2675,625 2775,525 2775,75
GND on L8 (GND) "GND_L08_P127" (solid, pour order 127): -30,4020 -20,4030 8010,4030 8010,-30 8000,-40 7980,-20 -30,-20 -20,-10